# Altium PCB SONDE_2.PcbDoc (part 6 of 10)
Units mil, origin at the board's own origin, x right, y up, seen from the top; angles counter-clockwise.
Board outline 10236.22 x 6701.71 mil, 4 copper layers (Top Layer, GND, Internal Plane 2, Bottom Layer), stack 30.9 mil thick; 1794 components, 936 nets, 4747 pads, 493 vias.
Unrouted connection lines stored in the file: 1122.
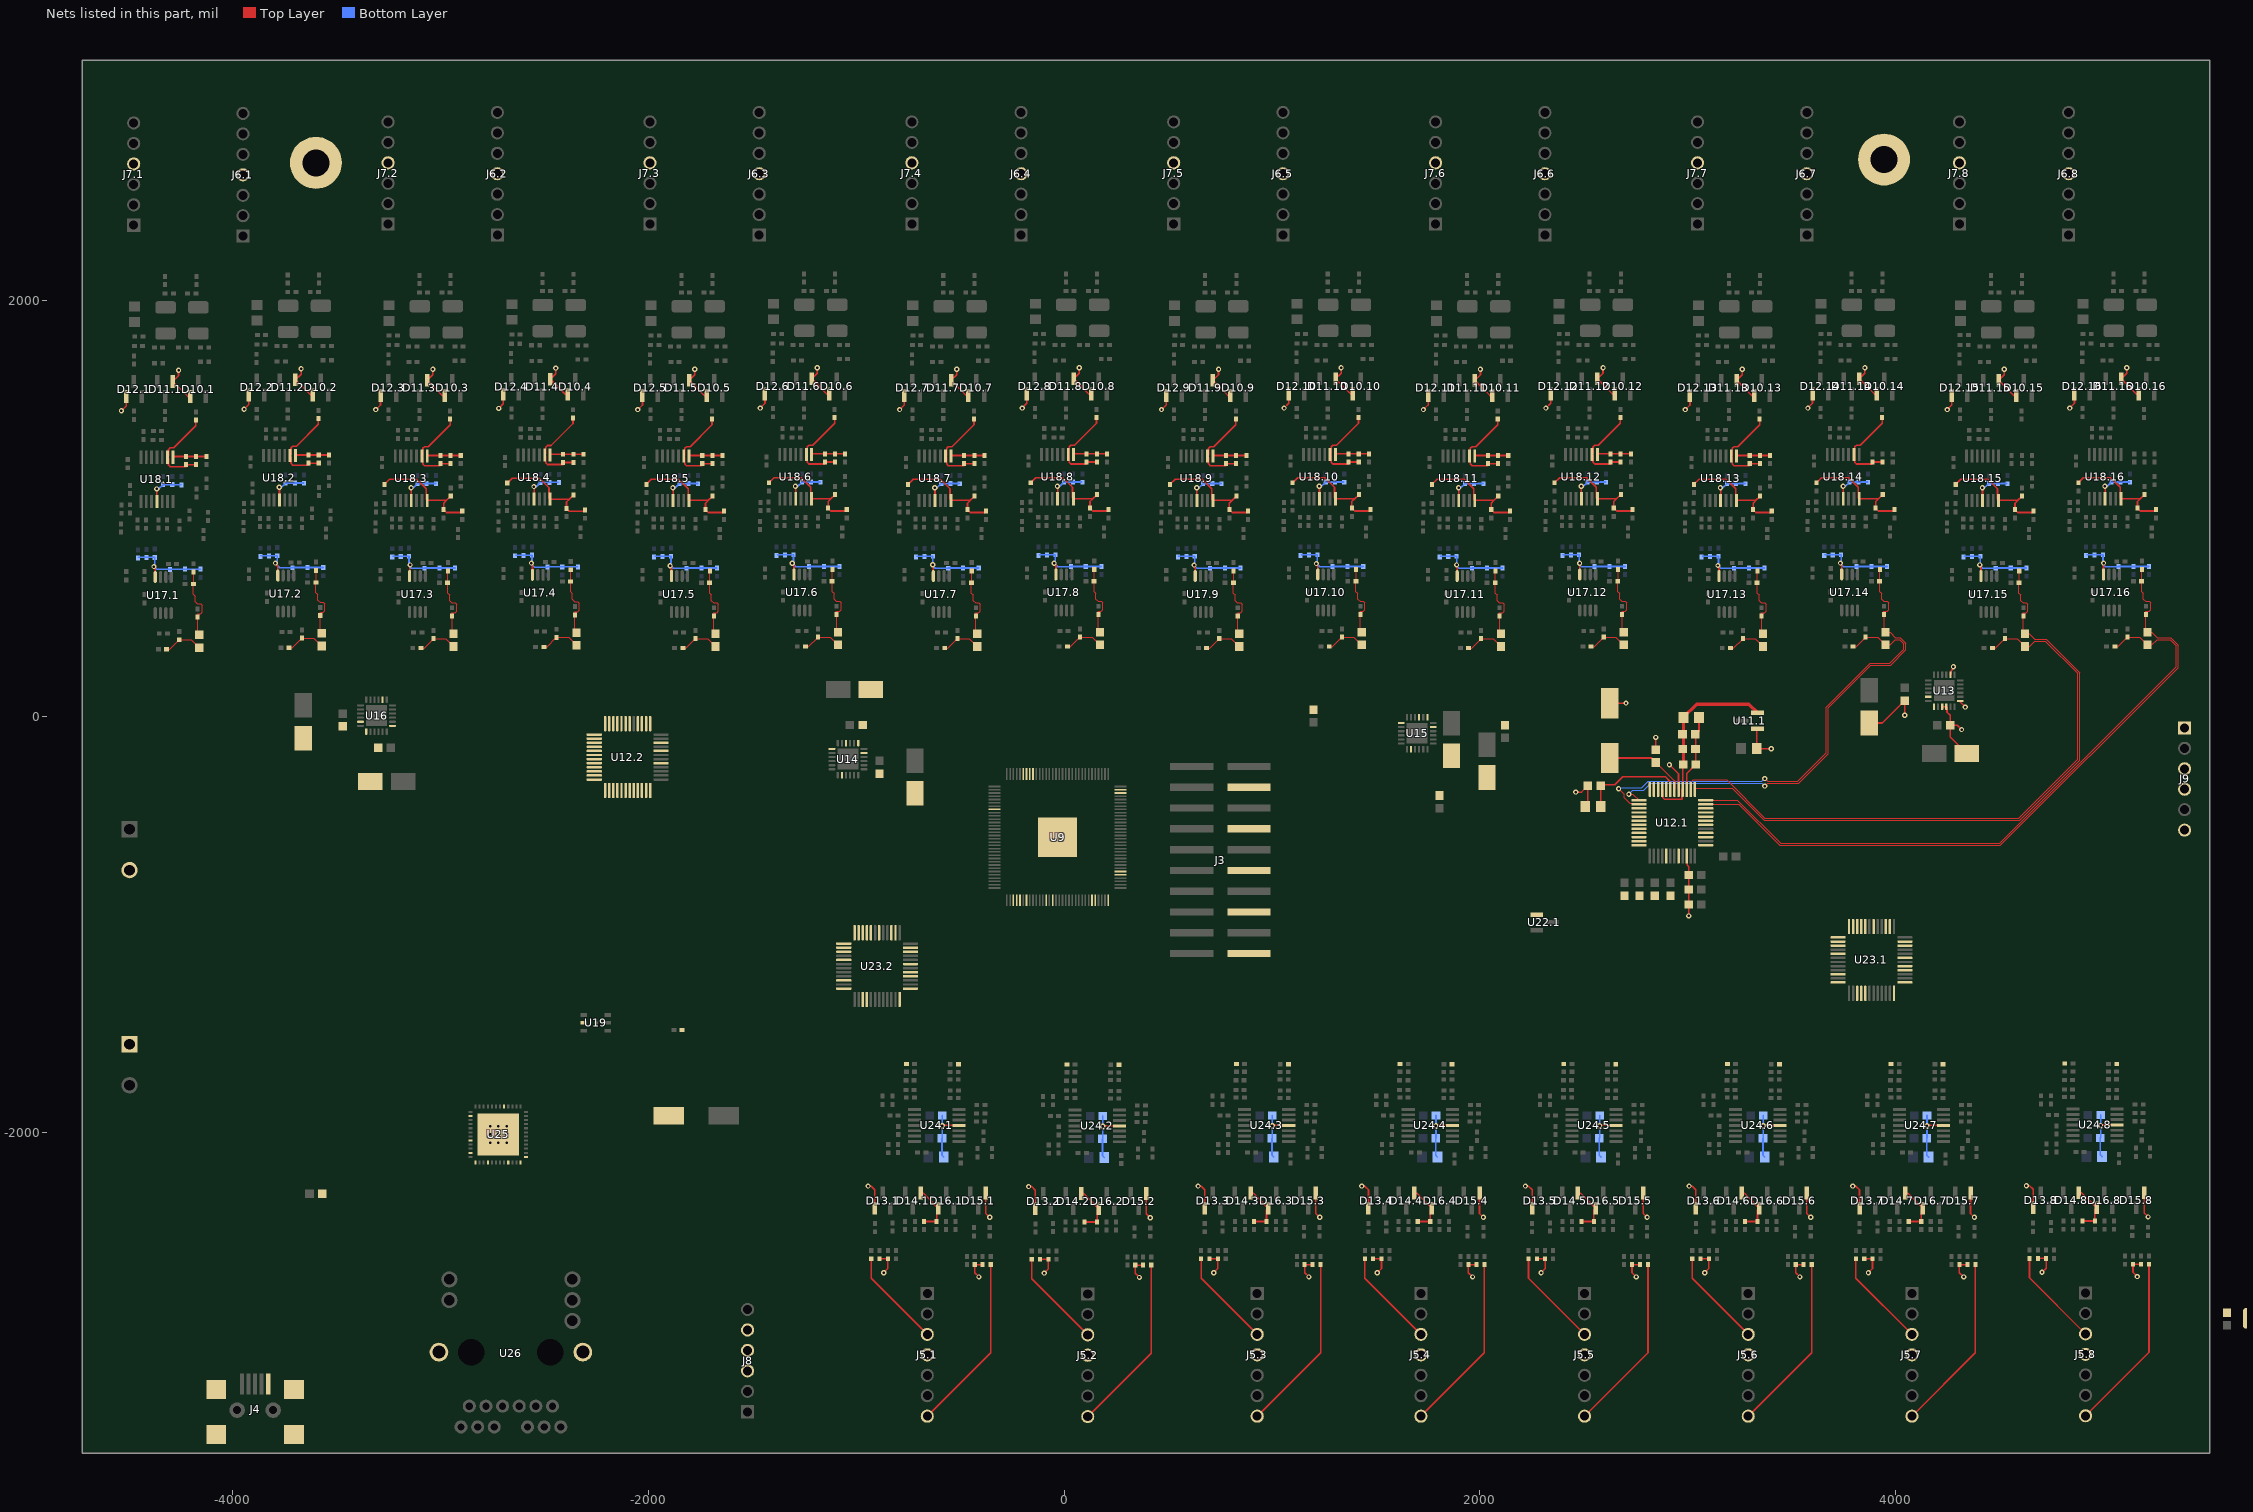
[diagram p8: the nets of this part, all layers, seen from the top]

## Via types
v1: diameter 25, hole 12, Top Layer to Bottom Layer, 493 vias

## Nets (pads, with @x,y where several pads share a name; then routed paths per layer and width w, separated by ;. In a path a pad name is that pad's centre, name@x,y a point inside that pad or via, vN(x,y) a via of type N, cw(c..) or ccw(c..) an arc to the next point about the centre after c; other vN are vias at no path point) (continued)
-V1.3: C79.3.2 R52.3.1 R63.3.1 R64.3.2 U18.3.14 | length 557.5
  Top Layer w8: R64.3.2@-3269.97,1117.54 -3245.66,1141.86 -3114.97,1141.86 -3068.9,1095.79 -3068.9,1045.2 U18.3.14@-3064.2,1040.49 -2971.65,1040.49 ; R63.3.1@-2950.97,1061.17 -2971.65,1040.49 ; C79.3.2@-2895.42,988.25 -2901.69,981.98 -2971.41,981.98 R52.3.1@-2984.97,995.54 -2984.97,1027.17 -2971.65,1040.49
-V1.4: C79.4.2 R52.4.1 R63.4.1 R64.4.2 U18.4.14 | length 557.5
  Top Layer w8: R64.4.2@-2678.94,1123.13 -2654.63,1147.45 -2523.94,1147.45 -2477.87,1101.38 -2477.87,1050.79 U18.4.14@-2473.17,1046.08 -2380.62,1046.08 ; R63.4.1@-2359.94,1066.76 -2380.62,1046.08 ; C79.4.2@-2304.39,993.84 -2310.66,987.57 -2380.38,987.57 R52.4.1@-2393.94,1001.13 -2393.94,1032.76 -2380.62,1046.08
-V1.5: C79.5.2 R52.5.1 R63.5.1 R64.5.2 U18.5.14 | length 557.5
  Top Layer w8: R64.5.2@-2010.13,1117.54 -1985.82,1141.86 -1855.13,1141.86 -1809.06,1095.79 -1809.06,1045.2 U18.5.14@-1804.36,1040.49 -1711.81,1040.49 ; R63.5.1@-1691.13,1061.17 -1711.81,1040.49 ; C79.5.2@-1635.58,988.25 -1641.84,981.98 -1711.57,981.98 R52.5.1@-1725.13,995.54 -1725.13,1027.17 -1711.81,1040.49
-V1.6: C79.6.2 R52.6.1 R63.6.1 R64.6.2 U18.6.14 | length 557.5
  Top Layer w8: R64.6.2@-1420.46,1125.02 -1396.14,1149.33 -1265.46,1149.33 -1219.39,1103.26 -1219.39,1052.67 U18.6.14@-1214.69,1047.97 -1122.14,1047.97 ; R63.6.1@-1101.46,1068.65 -1122.14,1047.97 ; C79.6.2@-1045.9,995.73 -1052.17,989.46 -1121.9,989.46 R52.6.1@-1135.46,1003.02 -1135.46,1034.65 -1122.14,1047.97
-V1.7: C79.7.2 R52.7.1 R63.7.1 R64.7.2 U18.7.14 | length 557.5
  Top Layer w8: R64.7.2@-750.29,1117.54 -725.97,1141.86 -595.29,1141.86 -549.22,1095.79 -549.22,1045.2 U18.7.14@-544.52,1040.49 -451.96,1040.49 ; R63.7.1@-431.29,1061.17 -451.96,1040.49 ; C79.7.2@-375.73,988.25 -382,981.98 -451.73,981.98 R52.7.1@-465.29,995.54 -465.29,1027.17 -451.96,1040.49
-V1.8: C79.8.2 R52.8.1 R63.8.1 R64.8.2 U18.8.14 | length 557.5
  Top Layer w8: R64.8.2@-160.62,1125.02 -136.3,1149.33 -5.62,1149.33 40.46,1103.26 40.46,1052.67 U18.8.14@45.16,1047.97 137.71,1047.97 ; R63.8.1@158.38,1068.65 137.71,1047.97 ; C79.8.2@213.94,995.73 207.67,989.46 137.94,989.46 R52.8.1@124.38,1003.02 124.38,1034.65 137.71,1047.97
-V1.9: C79.9.2 R52.9.1 R63.9.1 R64.9.2 U18.9.14 | length 557.5
  Top Layer w8: R64.9.2@509.56,1117.54 533.87,1141.86 664.56,1141.86 710.63,1095.79 710.63,1045.2 U18.9.14@715.33,1040.49 807.88,1040.49 ; R63.9.1@828.56,1061.17 807.88,1040.49 ; C79.9.2@884.11,988.25 877.84,981.98 808.11,981.98 R52.9.1@794.56,995.54 794.56,1027.17 807.88,1040.49
-V1.10: C79.10.2 R52.10.1 R63.10.1 R64.2 U18.10.14 | length 557.5
  Top Layer w8: R64.2@1099.23,1125.02 1123.54,1149.33 1254.23,1149.33 1300.3,1103.26 1300.3,1052.67 U18.10.14@1305,1047.97 1397.55,1047.97 ; R63.10.1@1418.23,1068.65 1397.55,1047.97 ; C79.10.2@1473.78,995.73 1467.51,989.46 1397.79,989.46 R52.10.1@1384.23,1003.02 1384.23,1034.65 1397.55,1047.97
-V1.11: C79.11.2 R52.11.1 R63.11.1 R64.11.2 U18.11.14 | length 557.5
  Top Layer w8: R64.11.2@1769.4,1117.54 1793.71,1141.86 1924.4,1141.86 1970.47,1095.79 1970.47,1045.2 U18.11.14@1975.17,1040.49 2067.72,1040.49 ; R63.11.1@2088.4,1061.17 2067.72,1040.49 ; C79.11.2@2143.95,988.25 2137.68,981.98 2067.96,981.98 R52.11.1@2054.4,995.54 2054.4,1027.17 2067.72,1040.49
-V1.12: C79.12.2 R52.12.1 R63.12.1 R64.12.2 U18.12.14 | length 557.5
  Top Layer w8: R64.12.2@2359.07,1125.02 2383.38,1149.33 2514.07,1149.33 2560.14,1103.26 2560.14,1052.67 U18.12.14@2564.84,1047.97 2657.39,1047.97 ; R63.12.1@2678.07,1068.65 2657.39,1047.97 ; C79.12.2@2733.62,995.73 2727.36,989.46 2657.63,989.46 R52.12.1@2644.07,1003.02 2644.07,1034.65 2657.39,1047.97
-V1.13: C79.13.2 R52.13.1 R63.13.1 R64.13.2 U18.13.14 | length 557.5
  Top Layer w8: R64.13.2@3029.24,1117.54 3053.55,1141.86 3184.24,1141.86 3230.31,1095.79 3230.31,1045.2 U18.13.14@3235.01,1040.49 3327.56,1040.49 ; R63.13.1@3348.24,1061.17 3327.56,1040.49 ; C79.13.2@3403.79,988.25 3397.53,981.98 3327.8,981.98 R52.13.1@3314.24,995.54 3314.24,1027.17 3327.56,1040.49
-V1.14: C79.14.2 R52.14.1 R63.14.1 R64.14.2 U18.14.14 | length 557.5
  Top Layer w8: R64.14.2@3618.91,1125.02 3643.23,1149.33 3773.91,1149.33 3819.98,1103.26 3819.98,1052.67 U18.14.14@3824.68,1047.97 3917.23,1047.97 ; R63.14.1@3937.91,1068.65 3917.23,1047.97 ; C79.14.2@3993.47,995.73 3987.2,989.46 3917.47,989.46 R52.14.1@3903.91,1003.02 3903.91,1034.65 3917.23,1047.97
-V1.15: C79.15.2 R52.15.1 R63.15.1 R64.15.2 U18.15.14 | length 557.5
  Top Layer w8: R64.15.2@4289.08,1117.54 4313.4,1141.86 4444.08,1141.86 4490.15,1095.79 4490.15,1045.2 U18.15.14@4494.85,1040.49 4587.41,1040.49 ; R63.15.1@4608.08,1061.17 4587.41,1040.49 ; C79.15.2@4663.64,988.25 4657.37,981.98 4587.64,981.98 R52.15.1@4574.08,995.54 4574.08,1027.17 4587.41,1040.49
-V1.16: C79.16.2 R52.16.1 R63.16.1 R64.16.2 U18.16.14 | length 557.5
  Top Layer w8: R64.16.2@4878.75,1125.02 4903.07,1149.33 5033.75,1149.33 5079.83,1103.26 5079.83,1052.67 U18.16.14@5084.53,1047.97 5177.08,1047.97 ; R63.16.1@5197.75,1068.65 5177.08,1047.97 ; C79.16.2@5253.31,995.73 5247.04,989.46 5177.31,989.46 R52.16.1@5163.75,1003.02 5163.75,1034.65 5177.08,1047.97
A1: J9.1 R130.1 R131.1
A2: J9.4 R133.1 R134.1
ADC1_SDOUT1: R30.1.2 U9.88
ADC1_SDOUT2: R31.1.2 U9.89
ADC1_SDOUT3: R32.1.2 U9.62
ADC1_SDOUT4: R33.1.2 U9.90
ADC1_VQ: C37.1.1 C38.1.1 U12.1.7 | length 486.4
  Top Layer w8: C37.1.1@2580.56,-421.8 C38.1.1@2580.56,-332.49 ; C38.1.1@2581,-328 2648.52,-328 2686.52,-290 2892.62,-290 2913.33,-310.72 2913.33,-347.18 U12.1.7@2916.11,-349.96
ADC2_SDOUT1: R30.2.2 U9.4
ADC2_SDOUT2: R31.2.2 U9.5
ADC2_SDOUT3: R32.2.2 U9.3
ADC2_SDOUT4: R33.2.2 U9.7
ADC2_VQ: C37.2.1 C38.2.1 U12.2.7
AOUT1: C138.8.1 U23.1.39
AOUT2: C145.8.1 U23.1.38
AOUT3: C138.7.1 U23.1.35
AOUT4: C145.7.1 U23.1.34
AOUT5: C138.6.1 U23.1.29
AOUT6: C145.6.1 U23.1.28
AOUT7: C138.5.1 U23.1.25
AOUT8: C145.5.1 U23.1.24
AOUT9: C138.4.1 U23.2.39
AOUT10: C145.4.1 U23.2.38
AOUT11: C138.3.1 U23.2.35
AOUT12: C145.3.1 U23.2.34
AOUT13: C138.2.1 U23.2.29
AOUT14: C145.2.1 U23.2.28
AOUT15: C138.1.1 U23.2.25
AOUT16: C145.1.1 U23.2.24
AVDDH: C163.1 C164.1 C170.2 L8.2 U25.1 U25.12 U25.47
AVDDL: C167.1 C168.1 C175.2 L9.2 U25.4 U25.9
AVDDL_PLL: C161.1 C162.1 C169.2 L7.2 U25.44
B1: C182.2 C183.+ J9.3 U28.9
B2: C184.2 C185.+ J9.6 U28.7
BCLK: R79.1.1 R79.2.1 U9.27
DAC1_SDIN1_TDM: R80.1.1 U9.28
DAC2_SDIN1_TDM: R80.2.1 U9.32
FSYNC: R78.1.1 R78.2.1 U9.91
GND: C1.2 C2.2 C3.1 C5.- C6.- C7.- C8.- C9.- C11.2 C12.2 C13.1 C14.2 C18.2 C20.2 C21.2 C22.1 C25.2 C27.1 C28.2 C29.2 C30.1.2 C30.2.2 C31.1.2 C31.2.2 C32.1.2 C32.2.2 C33.1.2 C33.2.2 C34.1.2 C34.2.2 C35.1.- C35.2.- C36.1.2 C36.2.2 C37.1.2 C37.2.2 C38.1.2 C38.2.2 C39.1.2 C39.2.2 C40.1.2 C40.2.2 C41.1.2 C41.2.2 C42.- C43.- C44.- C45.- C46.2 C47.2 C48.2 C49.2 C50.- C51.- C52.- C53.- C54.2 C55.2 C56.2 C57.2 C59.1.2 C59.2.2 C59.3.2 C59.4.2 C59.5.2 C59.6.2 C59.7.2 C59.8.2 C59.9.2 C59.10.2 C59.11.2 C59.12.2 C59.13.2 C59.14.2 C59.15.2 C59.16.2 C60.1.2 C60.2.2 C60.3.2 C60.4.2 C60.5.2 C60.6.2 C60.7.2 C60.8.2 C60.9.2 C60.10.2 C60.11.2 C60.12.2 C60.13.2 C60.14.2 C60.15.2 C60.16.2 C61.1.2 C61.2.2 C61.3.2 C61.4.2 C61.5.2 C61.6.2 C61.7.2 C61.8.2 C61.9.2 C61.10.2 C61.11.2 C61.12.2 C61.13.2 C61.14.2 C61.15.2 C61.16.2 C68.1.2 C68.2.2 C68.3.2 C68.4.2 C68.5.2 C68.6.2 C68.7.2 C68.8.2 C68.9.2 C68.10.2 C68.11.2 C68.12.2 C68.13.2 C68.14.2 C68.15.2 C68.16.2 C69.1.2 C69.2.2 C69.3.2 C69.4.2 C69.5.2 C69.6.2 C69.7.2 C69.8.2 C69.9.2 C69.10.2 C69.11.2 C69.12.2 C69.13.2 C69.14.2 C69.15.2 C69.16.2 C70.1.2 C70.2.2 C70.3.2 C70.4.2 C70.5.2 C70.6.2 C70.7.2 C70.8.2 C70.9.2 C70.10.2 C70.11.2 C70.12.2 C70.13.2 C70.14.2 C70.15.2 C70.16.2 C76.1.2 C76.2.2 C76.3.2 C76.4.2 C76.5.2 C76.6.2 C76.7.2 C76.8.2 C76.9.2 C76.10.2 C76.11.2 C76.12.2 C76.13.2 C76.14.2 C76.15.2 C76.16.2 C77.1.2 C77.2.2 C77.3.2 C77.4.2 C77.5.2 C77.6.2 C77.7.2 C77.8.2 C77.9.2 C77.10.2 C77.11.2 C77.12.2 C77.13.2 C77.14.2 C77.15.2 C77.16.2 C78.1.2 C78.2.2 C78.3.2 C78.4.2 C78.5.2 C78.6.2 C78.7.2 C78.8.2 C78.9.2 C78.10.2 C78.11.2 C78.12.2 C78.13.2 C78.14.2 C78.15.2 C78.16.2 C85.1 C87.2 C88.2 C89.2 C90.- C91.- C93.- C94.- C95.2 C96.2 C97.2 C98.2 C99.2 C100.2 C101.2 C102.2 C103.2 C104.2 C105.2 C106.2 C107.2 C108.2 C109.2 C110.2 C111.2 C112.2 C113.2 C114.2 C115.2 C116.2 C117.2 C118.2 C119.2 C120.2 C121.1.2 C121.2.2 C122.1.2 C122.2.2 C123.1.2 C123.2.2 C124.1.2 C124.2.2 C125.1.2 C125.2.2 C126.1.- C126.2.- C127.1.2 C127.2.2 C128.1.2 C128.2.2 C129.1.2 C129.2.2 C130.1.2 C130.2.2 C131.1.2 C131.2.2 C134.1.2 C134.2.2 C134.3.2 C134.4.2 C134.5.2 C134.6.2 C134.7.2 C134.8.2 C135.1.2 C135.2.2 C135.3.2 C135.4.2 C135.5.2 C135.6.2 C135.7.2 C135.8.2 C136.1.1 C136.2.1 C136.3.1 C136.4.1 C136.5.1 C136.6.1 C136.7.1 C136.8.1 C149.2 C150.2 C151.- C152.2 C153.2 C154.2 C155.2 C156.1 C157.1 C158.1 C159.2 C160.2 C161.2 C162.2 C163.2 C164.2 C165.2 C166.2 C167.2 C168.2 C169.1 C170.1 C171.1 C172.1 C173.1 C174.1 C175.1 C176.2 C177.2 C178.2 C179.2 C180.1 C181.1 C?.1 D10.1.1 D10.2.1 D10.3.1 D10.4.1 D10.5.1 D10.6.1 D10.7.1 D10.8.1 D10.9.1 D10.10.1 D10.11.1 D10.12.1 D10.13.1 D10.14.1 D10.15.1 D10.16.1 D11.1.1 D11.2.1 D11.3.1 D11.4.1 D11.5.1 D11.6.1 D11.7.1 D11.8.1 D11.9.1 D11.10.1 D11.11.1 D11.12.1 D11.13.1 D11.14.1 D11.15.1 D11.16.1 D12.1.1 D12.2.1 D12.3.1 D12.4.1 D12.5.1 D12.6.1 D12.7.1 D12.8.1 D12.9.1 D12.10.1 D12.11.1 D12.12.1 D12.13.1 D12.14.1 D12.15.1 D12.16.1 D13.1.1 D13.2.1 D13.3.1 D13.4.1 D13.5.1 D13.6.1 D13.7.1 D13.8.1 D14.1.1 D14.2.1 D14.3.1 D14.4.1 D14.5.1 D14.6.1 D14.7.1 D14.8.1 D15.1.1 D15.2.1 D15.3.1 D15.4.1 D15.5.1 D15.6.1 D15.7.1 D15.8.1 D16.1.1 D16.2.1 D16.3.1 D16.4.1 D16.5.1 D16.6.1 D16.7.1 D16.8.1 J1.2 J2.1 J3.4 J3.8 J3.12 J3.16 J3.20 J4.5 J4.MH1 J4.MH2 J4.MH3 J4.MH4 J5.1.4 J5.2.4 J5.3.4 J5.4.4 J5.5.4 J5.6.4 J5.7.4 J5.8.4 J6.1.4 J6.2.4 J6.3.4 J6.4.4 J6.5.4 J6.6.4 J6.7.4 J6.8.4 J7.1.4 J7.2.4 J7.3.4 J7.4.4 J7.5.4 J7.6.4 J7.7.4 J7.8.4 J8.3 J8.4 J8.5 P1.2 P1.6 Q2.S Q3.S Q4.S R8.2 R9.2 R13.2 R14.2 R16.2 R17.1 R27.1 R69.2 R71.2 R72.2 R73.2 R75.2 R83.1.1 R83.2.1 R83.3.1 R83.4.1 R83.5.1 R83.6.1 R83.7.1 R83.8.1 R87.1.1 R87.2.1 R87.3.1 R87.4.1 R87.5.1 R87.6.1 R87.7.1 R87.8.1 R93.1.1 R93.2.1 R93.3.1 R93.4.1 R93.5.1 R93.6.1 R93.7.1 R93.8.1 R97.1.1 R97.2.1 R97.3.1 R97.4.1 R97.5.1 R97.6.1 R97.7.1 R97.8.1 R101.1.1 R101.2.1 R101.3.1 R101.4.1 R101.5.1 R101.6.1 R101.7.1 R101.8.1 R107.1.1 R107.2.1 R107.3.1 R107.4.1 R107.5.1 R107.6.1 R107.7.1 R107.8.1 R118.1 R118.2 R121.1 R121.2 R123.2 R125.2 R126.2 R127.2 R128.1 S1.1 S2.1 S3.1 S4.1 SW1.2 SW2.2 TP5.1 TP5.2 U1.2 U1.8 U2.2 U3.4 U3.9 U5.2 U5.4 U7.4 U8.8 U8.9 U8.10 U8.11 U8.15 U9.104 U9.129 U10.2 U11.1.1 U11.2.1 U12.1.3 U12.1.5 U12.1.8 U12.1.10 U12.1.19 U12.1.21 U12.1.22 U12.1.29 U12.1.32 U12.1.34 U12.1.37 U12.1.42 U12.2.3 U12.2.5 U12.2.8 U12.2.10 U12.2.19 U12.2.21 U12.2.22 U12.2.29 U12.2.32 U12.2.34 U12.2.37 U12.2.38 U12.2.42 U13.1 U13.8 U13.21 U13.22 U14.1 U14.8 U14.22 U15.1 U15.8 U15.21 U16.1 U16.8 U17.1.4 U17.2.4 U17.3.4 U17.4.4 U17.5.4 U17.6.4 U17.7.4 U17.8.4 U17.9.4 U17.10.4 U17.11.4 U17.12.4 U17.13.4 U17.14.4 U17.15.4 U17.16.4 U18.1.11 U18.2.11 U18.3.11 U18.4.11 U18.5.11 U18.6.11 U18.7.11 U18.8.11 U18.9.11 U18.10.11 U18.11.11 U18.12.11 U18.13.11 U18.14.11 U18.15.11 U18.16.11 U19.2 U19.PAD U20.4 U20.9 U21.2 U22.1.1 U22.2.1 U23.1.1 U23.1.2 U23.1.3 U23.1.5 U23.1.10 U23.1.12 U23.1.17 U23.1.31 U23.1.42 U23.1.44 U23.1.45 U23.1.46 U23.1.47 U23.1.48 U23.2.1 U23.2.2 U23.2.3 U23.2.5 U23.2.10 U23.2.12 U23.2.31 U23.2.42 U23.2.44 U23.2.45 U23.2.46 U23.2.47 U23.2.48 U24.1.11 U24.2.11 U24.3.11 U24.4.11 U24.5.11 U24.6.11 U24.7.11 U24.8.11 U25.13 U25.29 U25.49 U26.18 U26.19 U27.2 U28.3 U28.4 U28.11 | length 23770
  Top Layer w8: v1(-4534.84,1471.64) -4512.24,1494.23 D12.1.1@-4512.24,1539.62 ; v1(-4379,722) -4377.91,722 -4372.41,716.5 U17.1.4@-4372.41,671.33 ; v1(-4365.55,1095.72) -4364.55,1094.72 U18.1.11@-4364.55,1035.36 ; v1(-4260.44,1666.03) -4260.44,1639.45 D11.1.1@-4287.44,1612.45 -4214.61,1539.62 D10.1.1@-4203.56,1539.62 ; v1(-3945.17,1479.11) -3922.57,1501.71 D12.2.1@-3922.57,1547.09 ; v1(-3794,739) -3794,735.24 -3782.74,723.98 U17.2.4@-3782.74,678.81 ; v1(-3775.88,1103.2) -3774.88,1102.2 U18.2.11@-3774.88,1042.83 ; v1(-3670.77,1673.51) -3670.77,1646.92 D11.2.1@-3697.77,1619.93 -3624.93,1547.09 D10.2.1@-3613.89,1547.09 ; v1(-3311.26,1476.77) -3288.66,1499.37 D12.3.1@-3288.66,1544.75 ; U17.3.4@-3148.83,676.47 -3148.83,728.03 v1(-3146.86,730) ; v1(-3141.97,1100.86) -3140.97,1099.86 U18.3.11@-3140.97,1040.49 ; v1(-3036.86,1671.17) -3036.86,1644.59 D11.3.1@-3063.86,1617.59 -2991.02,1544.75 D10.3.1@-2979.98,1544.75 ; v1(-2720.23,1482.36) -2697.63,1504.96 D12.4.1@-2697.63,1550.35 ; v1(-2563,738.86) -2557.8,733.65 U17.4.4@-2557.8,682.06 ; v1(-2550.94,1106.45) -2549.94,1105.45 U18.4.11@-2549.94,1046.08 ; v1(-2445.83,1676.76) -2445.83,1650.18 D11.4.1@-2472.83,1623.18 -2399.99,1550.35 D10.4.1@-2388.94,1550.35 ; v1(-2051.42,1476.77) -2028.82,1499.37 D12.5.1@-2028.82,1544.75 ; v1(-1896,725.62) -1892.97,725.62 -1888.99,721.64 U17.5.4@-1888.99,676.47 ; v1(-1882.13,1100.86) -1881.13,1099.86 U18.5.11@-1881.13,1040.49 ; v1(-1777.02,1671.17) -1777.02,1644.59 D11.5.1@-1804.02,1617.59 -1731.18,1544.75 D10.5.1@-1720.13,1544.75 ; v1(-1461.75,1484.25) -1439.15,1506.85 D12.6.1@-1439.15,1552.23 ; v1(-1308,737.8) -1299.32,729.11 U17.6.4@-1299.32,683.95 ; v1(-1292.46,1108.33) -1291.46,1107.33 U18.6.11@-1291.46,1047.97 ; v1(-1187.35,1678.65) -1187.35,1652.06 D11.6.1@-1214.34,1625.07 -1141.51,1552.23 D10.6.1@-1130.46,1552.23 ; v1(-942.98,-2258.46) -928.08,-2258.46 -910.79,-2275.74 D13.1.1@-910.79,-2364.88 ; R83.1.1@-888.08,-2608.15 R87.1.1@-848.08,-2608.15 -848.08,-2655.04 v1(-868.08,-2675.03) ; v1(-791.57,1476.77) -768.98,1499.37 D12.7.1@-768.98,1544.75 ; D14.1.1@-690.68,-2292.04 -678.31,-2292.04 D16.1.1@-605.48,-2364.88 -613.69,-2373.09 R107.1.1@-613.69,-2428.78 R93.1.1@-673.82,-2428.78 ; v1(-632.42,731) -629.14,727.73 U17.7.4@-629.14,676.47 ; v1(-622.29,1100.86) -621.29,1099.86 U18.7.11@-621.29,1040.49 ; v1(-586.08,-1968.46) -584.08,-1966.46 U24.1.11@-506.72,-1966.46 ; v1(-517.18,1671.17) -517.18,1644.59 D11.7.1@-544.17,1617.59 -471.34,1544.75 D10.7.1@-460.29,1544.75 ; v1(-409.69,-2695.61) -430.19,-2675.11 R101.1.1@-430.19,-2636.55 R97.1.1@-391.92,-2636.55 ; D15.1.1@-376.45,-2292.04 -376.45,-2390.09 v1(-358.08,-2408.46) ; v1(-201.9,1484.25) -179.3,1506.85 D12.8.1@-179.3,1552.23 ; v1(-170.9,-2260.54) -156,-2260.54 -138.72,-2277.83 D13.2.1@-138.72,-2366.96 ; R83.2.1@-116,-2610.23 R87.2.1@-76,-2610.23 -76,-2657.12 v1(-96,-2677.12) ; v1(-48.36,738) -39.47,729.11 U17.8.4@-39.47,683.95 ; v1(-32.62,1108.33) -31.62,1107.33 U18.8.11@-31.62,1047.97 ; v1(72.5,1678.65) 72.5,1652.06 D11.8.1@45.5,1625.07 118.33,1552.23 D10.8.1@129.38,1552.23 ; D14.2.1@81.4,-2294.13 93.76,-2294.13 D16.2.1@166.6,-2366.96 158.38,-2375.17 R107.2.1@158.38,-2430.86 R93.2.1@98.26,-2430.86 ; v1(186,-1970.54) 188,-1968.54 U24.2.11@265.36,-1968.54 ; v1(362.38,-2697.69) 341.89,-2677.2 R101.2.1@341.89,-2638.64 R97.2.1@380.16,-2638.64 ; D15.2.1@395.63,-2294.13 395.63,-2392.17 v1(414,-2410.54) ; v1(468.27,1476.77) 490.87,1499.37 D12.9.1@490.87,1544.75 ; v1(625,729) 630.7,723.3 U17.9.4@630.7,676.47 ; v1(637.56,1100.86) 638.56,1099.86 U18.9.11@638.56,1040.49 ; v1(644.28,-2258.46) 659.18,-2258.46 676.46,-2275.74 D13.3.1@676.46,-2364.88 ; R83.3.1@699.18,-2608.15 R87.3.1@739.18,-2608.15 739.18,-2655.04 v1(719.18,-2675.03) ; v1(742.67,1671.17) 742.67,1644.59 D11.9.1@715.67,1617.59 788.5,1544.75 D10.9.1@799.55,1544.75 ; D14.3.1@896.58,-2292.04 908.94,-2292.04 D16.3.1@981.77,-2364.88 973.56,-2373.09 R107.3.1@973.56,-2428.78 R93.3.1@913.44,-2428.78 ; v1(1001.18,-1968.46) 1003.18,-1966.46 U24.3.11@1080.54,-1966.46 ; v1(1057.94,1484.25) 1080.54,1506.85 D12.10.1@1080.54,1552.23 ; v1(1177.56,-2695.61) 1157.06,-2675.11 R101.3.1@1157.06,-2636.55 R97.3.1@1195.33,-2636.55 ; D15.3.1@1210.81,-2292.04 1210.81,-2390.09 v1(1229.18,-2408.46) ; v1(1213.48,736) 1220.37,729.11 U17.10.4@1220.37,683.95 ; v1(1227.23,1108.33) 1228.23,1107.33 U18.10.11@1228.23,1047.97 ; v1(1332.34,1678.65) 1332.34,1652.06 D11.10.1@1305.34,1625.07 1378.18,1552.23 D10.10.1@1389.22,1552.23 ; v1(1431.68,-2258.46) 1446.58,-2258.46 1463.86,-2275.74 D13.4.1@1463.86,-2364.88 ; R83.4.1@1486.58,-2608.15 R87.4.1@1526.58,-2608.15 1526.58,-2655.04 v1(1506.58,-2675.03) ; D14.4.1@1683.98,-2292.04 1696.34,-2292.04 D16.4.1@1769.18,-2364.88 1760.96,-2373.09 R107.4.1@1760.96,-2428.78 R93.4.1@1700.84,-2428.78 ; v1(1728.11,1476.77) 1750.71,1499.37 D12.11.1@1750.71,1544.75 ; v1(1788.58,-1968.46) 1790.58,-1966.46 U24.4.11@1867.94,-1966.46 ; v1(1888,729.53) 1890.54,726.99 U17.11.4@1890.54,676.47 ; v1(1897.4,1100.86) 1898.4,1099.86 U18.11.11@1898.4,1040.49 ; v1(1964.96,-2695.61) 1944.47,-2675.11 R101.4.1@1944.47,-2636.55 R97.4.1@1982.74,-2636.55 ; D15.4.1@1998.21,-2292.04 1998.21,-2390.09 v1(2016.58,-2408.46) ; v1(2002.51,1671.17) 2002.51,1644.59 D11.11.1@1975.51,1617.59 2048.35,1544.75 D10.11.1@2059.39,1544.75 ; v1(2219.08,-2258.46) 2233.98,-2258.46 2251.26,-2275.74 D13.5.1@2251.26,-2364.88 ; R83.5.1@2273.98,-2608.15 R87.5.1@2313.98,-2608.15 2313.98,-2655.04 v1(2293.98,-2675.03) ; v1(2317.78,1484.25) 2340.38,1506.85 D12.12.1@2340.38,1552.23 ; v1(2460.87,-363) 2489.02,-363 C38.1.2@2512.64,-339.38 ; D14.5.1@2471.38,-2292.04 2483.74,-2292.04 D16.5.1@2556.58,-2364.88 2548.36,-2373.09 R107.5.1@2548.36,-2428.78 R93.5.1@2488.24,-2428.78 ; v1(2479.33,737.64) 2480.21,736.75 U17.12.4@2480.21,683.95 ; v1(2487.07,1108.33) 2488.07,1107.33 U18.12.11@2488.07,1047.97 ; C37.1.2@2506.51,-433 2519.53,-419.98 C38.1.2@2519.53,-332.49 ; v1(2575.98,-1968.46) 2577.98,-1966.46 U24.5.11@2655.34,-1966.46 ; v1(2592.18,1678.65) 2592.18,1652.06 D11.12.1@2565.18,1625.07 2638.02,1552.23 D10.12.1@2649.07,1552.23 ; C35.1.-@2629.6,60 C35.1.-@2624.71,64.89 v1(2702.78,64.89) ; v1(2752.36,-2695.61) 2731.87,-2675.11 R101.5.1@2731.87,-2636.55 R97.5.1@2770.14,-2636.55 ; D15.5.1@2785.61,-2292.04 2785.61,-2390.09 v1(2803.98,-2408.46) ; C36.1.2@2845.96,-159.49 v1(2845.96,-100) ; v1(2911.98,-231.88) 2955.48,-275.39 U12.1.5@2955.48,-349.96 ; v1(2987.95,1476.77) 3010.55,1499.37 D12.13.1@3010.55,1544.75 ; U12.1.34@2994.85,-670.83 2996.76,-672.73 2996.76,-714.12 3004.22,-721.58 C41.1.2@3004.22,-761.39 C40.1.2@3004.22,-831.39 C39.1.2@3004.22,-903.95 v1(3004.22,-959) ; U12.1.3@2994.85,-349.96 2994.85,-273.22 C34.1.2@3038.24,-229.83 3038.24,-87.82 3053.82,-72.25 C31.1.2@3053.82,-3.94 ; v1(3006.48,-2258.46) 3021.38,-2258.46 3038.66,-2275.74 D13.6.1@3038.66,-2364.88 ; R83.6.1@3061.38,-2608.15 R87.6.1@3101.38,-2608.15 3101.38,-2655.04 v1(3081.38,-2675.03) ; v1(3145.02,727) 3150.38,721.64 U17.13.4@3150.38,676.47 ; v1(3157.24,1100.86) 3158.24,1099.86 U18.13.11@3158.24,1040.49 ; D14.6.1@3258.78,-2292.04 3271.14,-2292.04 D16.6.1@3343.98,-2364.88 3335.77,-2373.09 R107.6.1@3335.77,-2428.78 R93.6.1@3275.64,-2428.78 ; v1(3262.35,1671.17) 3262.35,1644.59 D11.13.1@3235.35,1617.59 3308.19,1544.75 D10.13.1@3319.24,1544.75 ; U11.1.1@3335.51,-57.13 3331.41,-61.22 C30.1.2@3331.41,-154.37 v1@3410.14,-154.37 ; v1(3363.38,-1968.46) 3365.38,-1966.46 U24.6.11@3442.74,-1966.46 ; v1(3539.77,-2695.61) 3519.27,-2675.11 R101.6.1@3519.27,-2636.55 R97.6.1@3557.54,-2636.55 ; D15.6.1@3573.01,-2292.04 3573.01,-2390.09 v1(3591.38,-2408.46) ; v1(3577.62,1484.25) 3600.22,1506.85 D12.14.1@3600.22,1552.23 ; v1(3734,739) 3740.05,732.95 U17.14.4@3740.05,683.95 ; v1(3746.91,1108.33) 3747.91,1107.33 U18.14.11@3747.91,1047.97 ; v1(3793.88,-2258.46) 3808.78,-2258.46 3826.07,-2275.74 D13.7.1@3826.07,-2364.88 ; R83.7.1@3848.78,-2608.15 R87.7.1@3888.78,-2608.15 3888.78,-2655.04 v1(3868.78,-2675.03) ; v1(3852.02,1678.65) 3852.02,1652.06 D11.14.1@3825.03,1625.07 3897.86,1552.23 D10.14.1@3908.91,1552.23 ; C42.-@3873.34,-30.74 3935.35,-30.74 C46.2@4043.34,77.24 v1(4043.34,6.2) ; D14.7.1@4046.18,-2292.04 4058.55,-2292.04 D16.7.1@4131.38,-2364.88 4123.17,-2373.09 R107.7.1@4123.17,-2428.78 R93.7.1@4063.04,-2428.78 ; v1(4150.79,-1968.46) 4152.79,-1966.46 U24.7.11@4230.14,-1966.46 ; U13.21@4223.95,48 U13.22@4243.64,48 4247.2,44.43 4247.2,21.06 4262.06,6.2 C47.2@4262.06,-41.57 ; v1(4247.8,1476.77) 4270.39,1499.37 D12.15.1@4270.39,1544.75 ; U13.8@4263.32,201.94 4266.89,205.5 4266.89,220.94 4278.08,232.13 v1(4278.08,240) ; U13.1@4310.76,75.76 4310.76,70.41 v1(4334.99,46.18) ; v1(4316.79,-62.09) 4296.27,-41.57 C47.2@4262.06,-41.57 ; v1(4327.17,-2695.61) 4306.67,-2675.11 R101.7.1@4306.67,-2636.55 R97.7.1@4344.94,-2636.55 ; C43.-@4342.06,-178.03 4262.06,-98.03 C47.2@4262.06,-41.57 ; D15.7.1@4360.41,-2292.04 4360.41,-2390.09 v1(4378.78,-2408.46) ; v1(4405,729.53) 4410.23,724.3 U17.15.4@4410.23,676.47 ; v1(4417.08,1100.86) 4418.08,1099.86 U18.15.11@4418.08,1040.49 ; v1(4522.19,1671.17) 4522.19,1644.59 D11.15.1@4495.2,1617.59 4568.03,1544.75 D10.15.1@4579.08,1544.75 ; v1(4629.1,-2256.38) 4644,-2256.38 4661.28,-2273.66 D13.8.1@4661.28,-2362.8 ; R83.8.1@4684,-2606.06 R87.8.1@4724,-2606.06 4724,-2652.95 v1(4704,-2672.95) ; v1(4837.47,1484.25) 4860.07,1506.85 D12.16.1@4860.07,1552.23 ; D14.8.1@4881.4,-2289.96 4893.76,-2289.96 D16.8.1@4966.6,-2362.8 4958.38,-2371.01 R107.8.1@4958.38,-2426.69 R93.8.1@4898.26,-2426.69 ; v1(4986,-1966.38) 4988,-1964.38 U24.8.11@5065.36,-1964.38 ; U17.16.4@4999.9,683.95 4999.9,738.9 v1(5000,739) ; v1(5006.75,1108.33) 5007.75,1107.33 U18.16.11@5007.75,1047.97 ; v1(5111.87,1678.65) 5111.87,1652.06 D11.16.1@5084.87,1625.07 5157.7,1552.23 D10.16.1@5168.75,1552.23 ; v1(5162.38,-2693.53) 5141.89,-2673.03 R101.8.1@5141.89,-2634.47 R97.8.1@5180.16,-2634.47 ; D15.8.1@5195.63,-2289.96 5195.63,-2388.01 v1(5214,-2406.38)